# Altium PCB JTAG批量下载板-V1.6-ASCII.PcbDoc (part 5 of 14)
Units mil, origin at the board's own origin, x right, y up, seen from the top; angles counter-clockwise.
Board outline 7947.6 x 7007.76 mil, 2 copper layers (Top Layer, Bottom Layer); 207 components, 340 nets, 1329 pads, 792 vias.
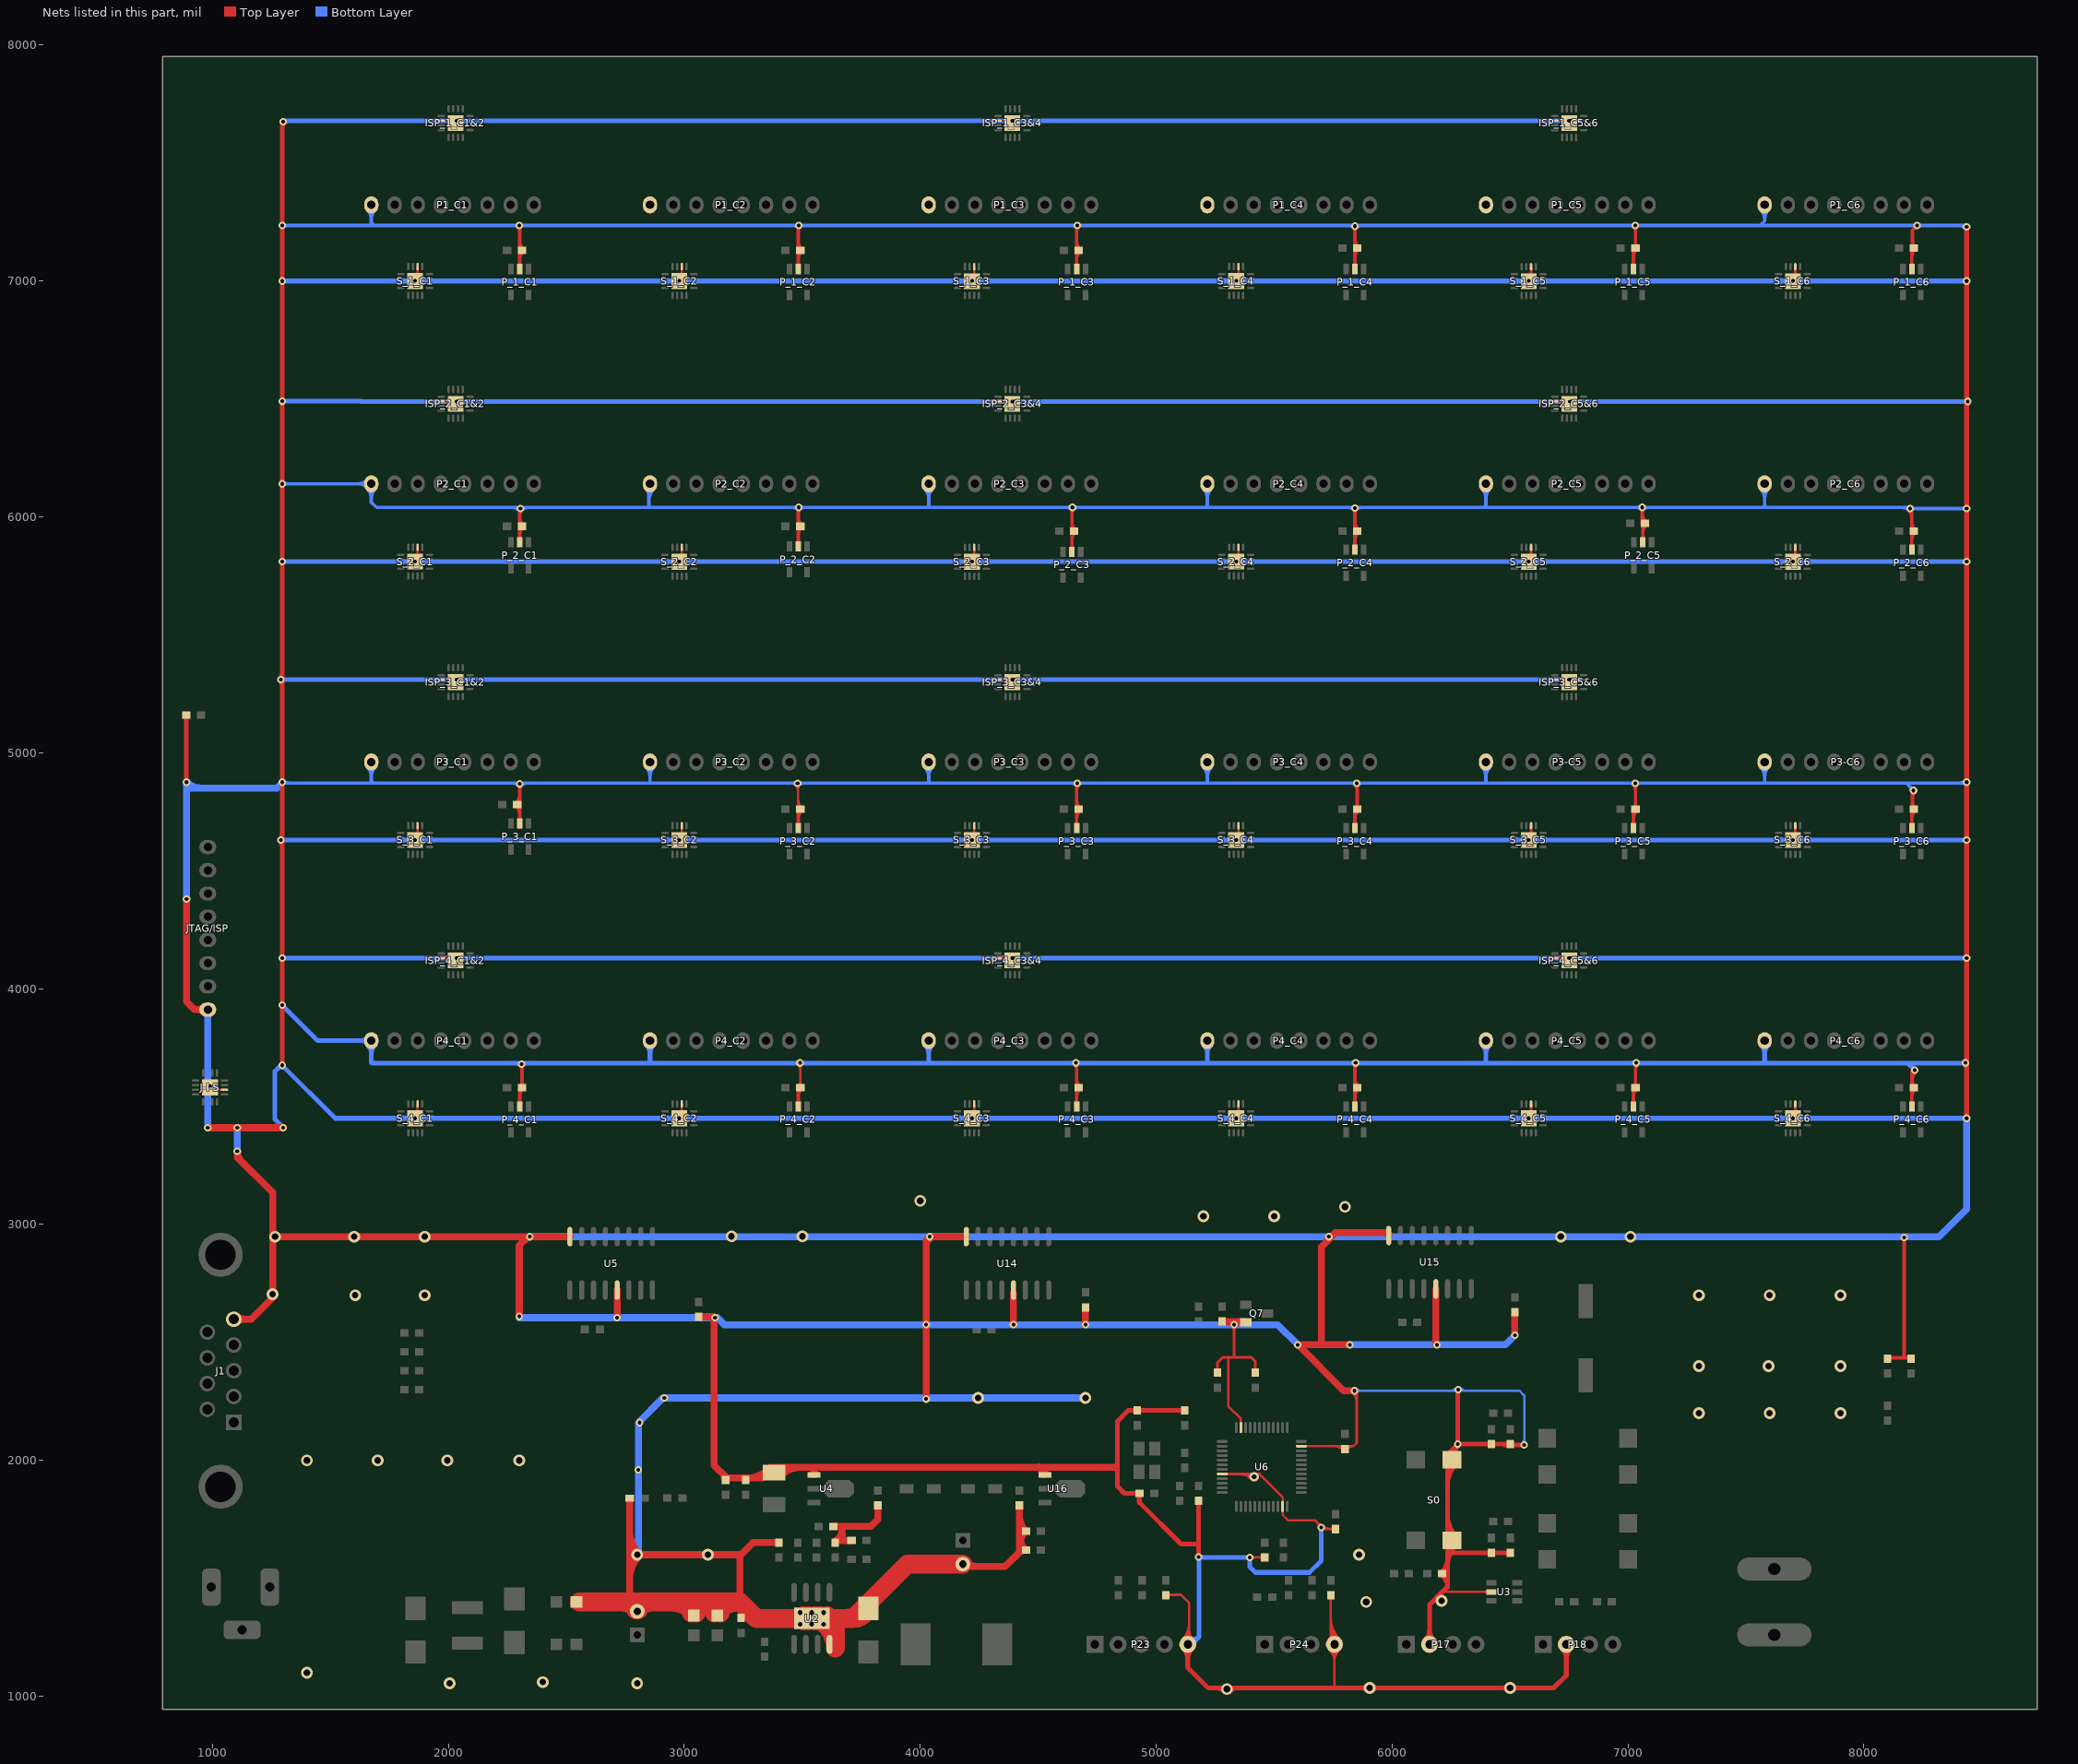
[diagram p5: the nets of this part, all layers, seen from the top]

## Via types
v1: diameter 32, hole 16, Top Layer to Bottom Layer, 721 vias
v2: diameter 50, hole 28, Top Layer to Bottom Layer, 45 vias
v3: diameter 40, hole 20, Top Layer to Bottom Layer, 26 vias

## Nets (pads, with @x,y where several pads share a name; then routed paths per layer and width w, separated by ;. In a path a pad name is that pad's centre, name@x,y a point inside that pad or via, vN(x,y) a via of type N, cw(c..) or ccw(c..) an arc to the next point about the centre after c; other vN are vias at no path point) (continued)
GND: C2.2 C3.2 C4.2 C5.2 C6.2 C7.2 C8.2 C9.2 C10.2 C15.2 C16.2 C21.2 C22.2 C23.1 C24.2 C25.2 C26.2 C27.2 C30.2 C38.1 C39.1 C41.2 C42.2 C43.2 C48.2 C50.2 C52.2 C53.2 C60.2 D8.1 ISP_1_C1&2.6 ISP_1_C1&2.17 ISP_1_C3&4.6 ISP_1_C3&4.17 ISP_1_C5&6.6 ISP_1_C5&6.17 ISP_2_C1&2.6 ISP_2_C1&2.17 ISP_2_C3&4.6 ISP_2_C3&4.17 ISP_2_C5&6.6 ISP_2_C5&6.17 ISP_3_C1&2.6 ISP_3_C1&2.17 ISP_3_C3&4.6 ISP_3_C3&4.17 ISP_3_C5&6.6 ISP_3_C5&6.17 ISP_4_C1&2.6 ISP_4_C1&2.17 ISP_4_C3&4.6 ISP_4_C3&4.17 ISP_4_C5&6.6 ISP_4_C5&6.17 J1.5 J-I-S.6 J-I-S.17 JTAG/ISP.8 L2.1 LD0.2 P1_C1.8 P1_C2.8 P1_C3.8 P1_C4.8 P1_C5.8 P1_C6.8 P2_C1.8 P2_C2.8 P2_C3.8 P2_C4.8 P2_C5.8 P2_C6.8 P3-C5.8 P3-C6.8 P3_C1.8 P3_C2.8 P3_C3.8 P3_C4.8 P4_C1.8 P4_C2.8 P4_C3.8 P4_C4.8 P4_C5.8 P4_C6.8 P17.2 P18.2 P23.5 P24.4 P_1_C1.2 P_1_C2.2 P_1_C3.2 P_1_C4.2 P_1_C5.2 P_1_C6.2 P_2_C1.2 P_2_C2.2 P_2_C3.2 P_2_C4.2 P_2_C5.2 P_2_C6.2 P_3_C1.2 P_3_C2.2 P_3_C3.2 P_3_C4.2 P_3_C5.2 P_3_C6.2 P_4_C1.2 P_4_C2.2 P_4_C3.2 P_4_C4.2 P_4_C5.2 P_4_C6.2 Q7.2 R7.1 R10.1 R14.1 R17.1 R21.1 R29.2 R30.2 R31.2 R32.2 R33.2 R34.2 R40.2 R41.2 R45.1 R48.1 R52.2 R53.2 R54.2 R55.2 R56.2 R57.2 R60.2 R61.2 R62.2 R63.2 R64.2 R65.2 R66.2 R71.2 R72.2 R73.2 R74.2 R75.2 R76.2 S0.3 S0.4 S_1_C1.6 S_1_C1.17 S_1_C2.6 S_1_C2.17 S_1_C3.6 S_1_C3.17 S_1_C4.6 S_1_C4.17 S_1_C5.6 S_1_C5.17 S_1_C6.6 S_1_C6.17 S_2_C1.6 S_2_C1.17 S_2_C2.6 S_2_C2.17 S_2_C3.6 S_2_C3.17 S_2_C4.6 S_2_C4.17 S_2_C5.6 S_2_C5.17 S_2_C6.6 S_2_C6.17 S_3_C1.6 S_3_C1.17 S_3_C2.6 S_3_C2.17 S_3_C3.6 S_3_C3.17 S_3_C4.6 S_3_C4.17 S_3_C5.6 S_3_C5.17 S_3_C6.6 S_3_C6.17 S_4_C1.6 S_4_C1.17 S_4_C2.6 S_4_C2.17 S_4_C3.6 S_4_C3.17 S_4_C4.6 S_4_C4.17 S_4_C5.6 S_4_C5.17 S_4_C6.6 S_4_C6.17 U2.4 U2.9 U3.2 U4.1 U5.8 U5.13 U6.8 U6.23 U6.35 U6.47 U14.8 U14.13 U15.8 U15.13 U16.1 | length 179279.5
  Top Layer w10: J-I-S.17@986.18,3571.18 J-I-S.6@1050.55,3571.18 ; S_4_C1.17@1868.82,3449.37 S_4_C1.6@1868.82,3511.05 ; S_3_C1.17@1868.82,4629.37 S_3_C1.6@1868.82,4691.05 ; S_2_C1.17@1868.82,5809.37 S_2_C1.6@1868.82,5871.05 ; S_1_C1.17@1868.82,6999.37 S_1_C1.6@1868.82,7061.1 ; ISP_4_C1&2.6@1969.45,4129.37 v1(2033.82,4129.37) ; ISP_3_C1&2.6@1969.45,5309.37 v1(2033.82,5309.37) ; ISP_2_C1&2.6@1969.45,6489.37 v1(2033.82,6489.37) ; ISP_1_C1&2.6@1969.45,7679.37 v1(2033.82,7679.37) ; S_4_C2.17@2988.82,3456.18 S_4_C2.6@2988.82,3511.05 ; S_3_C2.17@2988.82,4636.18 S_3_C2.6@2988.82,4691.05 ; S_2_C2.17@2988.82,5816.18 S_2_C2.6@2988.82,5871.1 ; S_1_C2.17@2988.82,7006.18 S_1_C2.6@2988.82,7061.1 ; R72.2@3482.6,3571.65 3491.5,3580.55 v1@3491.5,3683.5 ; R62.2@3482.6,4751.65 v1@3482.6,4867.4 ; R30.2@3482.6,7121.65 R30.2@3491.5,7130.55 ; S_4_C3.17@4228.82,3449.37 S_4_C3.6@4228.82,3511.05 ; S_3_C3.17@4228.82,4629.37 S_3_C3.6@4228.82,4691.05 ; S_2_C3.17@4228.82,5809.37 S_2_C3.6@4228.82,5871.1 ; S_1_C3.17@4228.82,6999.37 S_1_C3.6@4228.82,7061.1 ; ISP_4_C3&4.6@4329.45,4129.37 v1(4393.82,4129.37) ; ISP_3_C3&4.6@4329.45,5309.37 v1(4393.82,5309.37) ; ISP_2_C3&4.6@4329.45,6489.37 v1(4393.82,6489.37) ; ISP_1_C3&4.6@4329.45,7679.37 v1(4393.82,7679.37) ; R45.1@5050,1430 5105,1430 5140,1395 P23.5@5140,1215 ; U6.8@5280,1942.2 5437.8,1942.2 5535.91,1844.09 5535.91,1769.09 5560,1745 5675,1745 5711.5,1708.5 C16.2@5760,1708.5 ; 5305,2436.5 5305,2230 5358.74,2176.26 U6.47@5358.74,2139.06 ; S_4_C4.17@5348.82,3456.18 S_4_C4.6@5348.82,3511.05 ; S_3_C4.17@5348.82,4636.18 S_3_C4.6@5348.82,4691.05 ; S_2_C4.17@5348.82,5816.18 S_2_C4.6@5348.82,5871.05 ; S_1_C4.17@5348.82,7006.18 S_1_C4.6@5348.82,7061.05 ; 5349.32,1942.2 cw(c5349.32,1864.32) v3@5404.39,1919.39 ; 5373.46,1942.2 cw(c5373.46,1888.46) v3@5411.46,1926.46 ; v1(5396.5,1588.5) R17.1@5460,1588.5 ; 5397.61,1942.2 cw(c5397.61,1912.61) v3@5418.54,1933.54 ; U6.35@5614.65,2060.32 5835.31,2060.32 ; R48.1@5740,1428.5 5740,1235.28 P24.4@5755.28,1220 5755.28,1035.28 ; 5750.29,2060.32 cw(c5750.29,2000.76) C10.2@5792.4,2042.87 ; 5774.43,2060.32 cw(c5774.43,2024.9) C10.2@5799.47,2049.94 ; v1@5850,2305 5850,2075 5835.31,2060.32 ; 6209.97,1439.97 6212.6,1442.6 U3.2@6420,1442.6 ; S_4_C5.17@6588.82,3449.37 S_4_C5.6@6588.82,3511.05 ; S_3_C5.17@6588.82,4629.37 S_3_C5.6@6588.82,4691.05 ; S_2_C5.17@6588.82,5809.37 S_2_C5.6@6588.82,5871.1 ; S_1_C5.17@6588.82,6999.37 S_1_C5.6@6588.82,7061.1 ; ISP_4_C5&6.6@6689.45,4129.37 v1(6753.82,4129.37) ; ISP_3_C5&6.6@6689.45,5309.37 v1(6753.82,5309.37) ; ISP_2_C5&6.6@6689.45,6489.37 v1(6753.82,6489.37) ; ISP_1_C5&6.6@6689.45,7679.37 v1(6753.82,7679.37) ; S_4_C6.17@7708.82,3456.18 S_4_C6.6@7708.82,3511.05 ; S_3_C6.17@7708.82,4636.18 S_3_C6.6@7708.82,4691.05 ; S_2_C6.17@7708.82,5816.18 S_2_C6.6@7708.82,5871.1 ; S_1_C6.17@7708.82,7006.18 S_1_C6.6@7708.82,7061.1 ; ISP_4_C1&2.17@2007.26,4129.37 cw(c2007.26,4102.81) 2026.04,4121.59 ccw(c2007.26,4102.81) ISP_4_C1&2.17@2007.26,4129.37 ; ISP_4_C1&2.17@2007.26,4129.37 ccw(c2007.26,4155.93) 2026.04,4137.15 cw(c2007.26,4155.93) ISP_4_C1&2.17@2007.26,4129.37 ; ISP_3_C1&2.17@2007.26,5309.37 cw(c2007.26,5282.81) 2026.04,5301.59 ccw(c2007.26,5282.81) ISP_3_C1&2.17@2007.26,5309.37 ; ISP_3_C1&2.17@2007.26,5309.37 ccw(c2007.26,5335.93) 2026.04,5317.15 cw(c2007.26,5335.93) ISP_3_C1&2.17@2007.26,5309.37 ; ISP_2_C1&2.17@2007.26,6489.37 cw(c2007.26,6462.81) 2026.04,6481.59 ccw(c2007.26,6462.81) ISP_2_C1&2.17@2007.26,6489.37 ; ISP_2_C1&2.17@2007.26,6489.37 ccw(c2007.26,6515.93) 2026.04,6497.15 cw(c2007.26,6515.93) ISP_2_C1&2.17@2007.26,6489.37 ; ISP_1_C1&2.17@2007.26,7679.37 cw(c2007.26,7652.81) 2026.04,7671.59 ccw(c2007.26,7652.81) ISP_1_C1&2.17@2007.26,7679.37 ; ISP_1_C1&2.17@2007.26,7679.37 ccw(c2007.26,7705.93) 2026.04,7687.15 cw(c2007.26,7705.93) ISP_1_C1&2.17@2007.26,7679.37 ; 3491.5,3605.95 cw(c3465.55,3605.95) 3483.9,3587.6 ccw(c3465.55,3605.95) 3491.5,3605.95 ; 3491.5,3605.95 ccw(c3517.44,3605.95) 3499.1,3587.6 cw(c3517.44,3605.95) 3491.5,3605.95 ; ISP_4_C3&4.17@4363.44,4129.37 cw(c4363.44,4102.81) 4382.22,4121.59 ccw(c4363.44,4102.81) ISP_4_C3&4.17@4363.44,4129.37 ; ISP_4_C3&4.17@4363.44,4129.37 ccw(c4363.44,4155.93) 4382.22,4137.15 cw(c4363.44,4155.93) ISP_4_C3&4.17@4363.44,4129.37 ; ISP_3_C3&4.17@4363.44,5309.37 cw(c4363.44,5282.81) 4382.22,5301.59 ccw(c4363.44,5282.81) ISP_3_C3&4.17@4363.44,5309.37 ; ISP_3_C3&4.17@4363.44,5309.37 ccw(c4363.44,5335.93) 4382.22,5317.15 cw(c4363.44,5335.93) ISP_3_C3&4.17@4363.44,5309.37 ; ISP_2_C3&4.17@4363.44,6489.37 cw(c4363.44,6462.81) 4382.22,6481.59 ccw(c4363.44,6462.81) ISP_2_C3&4.17@4363.44,6489.37 ; ISP_2_C3&4.17@4363.44,6489.37 ccw(c4363.44,6515.93) 4382.22,6497.15 cw(c4363.44,6515.93) ISP_2_C3&4.17@4363.44,6489.37 ; ISP_1_C3&4.17@4363.44,7679.37 cw(c4363.44,7652.81) 4382.22,7671.59 ccw(c4363.44,7652.81) ISP_1_C3&4.17@4363.44,7679.37 ; ISP_1_C3&4.17@4363.44,7679.37 ccw(c4363.44,7705.93) 4382.22,7687.15 cw(c4363.44,7705.93) ISP_1_C3&4.17@4363.44,7679.37 ; ISP_4_C3&4.17@4367.26,4129.37 cw(c4367.26,4102.81) 4386.04,4121.59 ccw(c4367.26,4102.81) ISP_4_C3&4.17@4367.26,4129.37 ; ISP_4_C3&4.17@4367.26,4129.37 ccw(c4367.26,4155.93) 4386.04,4137.15 cw(c4367.26,4155.93) ISP_4_C3&4.17@4367.26,4129.37 ; ISP_3_C3&4.17@4367.26,5309.37 cw(c4367.26,5282.81) 4386.04,5301.59 ccw(c4367.26,5282.81) ISP_3_C3&4.17@4367.26,5309.37 ; ISP_3_C3&4.17@4367.26,5309.37 ccw(c4367.26,5335.93) 4386.04,5317.15 cw(c4367.26,5335.93) ISP_3_C3&4.17@4367.26,5309.37 ; ISP_2_C3&4.17@4367.26,6489.37 cw(c4367.26,6462.81) 4386.04,6481.59 ccw(c4367.26,6462.81) ISP_2_C3&4.17@4367.26,6489.37 ; ISP_2_C3&4.17@4367.26,6489.37 ccw(c4367.26,6515.93) 4386.04,6497.15 cw(c4367.26,6515.93) ISP_2_C3&4.17@4367.26,6489.37 ; ISP_1_C3&4.17@4367.26,7679.37 cw(c4367.26,7652.81) 4386.04,7671.59 ccw(c4367.26,7652.81) ISP_1_C3&4.17@4367.26,7679.37 ; ISP_1_C3&4.17@4367.26,7679.37 ccw(c4367.26,7705.93) 4386.04,7687.15 cw(c4367.26,7705.93) ISP_1_C3&4.17@4367.26,7679.37 ; R45.1@5047.6,1422.87 cw(c5064.81,1405.67) 5064.81,1430 ; R45.1@5047.6,1422.87 cw(c5064.81,1405.67) 5064.81,1430 ; R45.1@5047.6,1422.87 cw(c5064.81,1405.67) 5064.81,1430 ; R45.1@5047.6,1422.87 cw(c5064.81,1405.67) 5064.81,1430 ; R45.1@5047.6,1422.87 cw(c5064.81,1405.67) 5064.81,1430 ; R45.1@5047.6,1438.07 ccw(c5067.09,1457.56) 5067.09,1430 ; R45.1@5047.6,1438.07 ccw(c5067.09,1457.56) 5067.09,1430 ; R45.1@5047.6,1438.07 ccw(c5067.09,1457.56) 5067.09,1430 ; R45.1@5047.6,1438.07 ccw(c5067.09,1457.56) 5067.09,1430 ; R45.1@5047.6,1438.07 ccw(c5067.09,1457.56) 5067.09,1430 ; P23.5@5111.78,1241.92 ccw(c5043.65,1310.05) 5140,1310.05 ; P23.5@5111.78,1241.92 ccw(c5043.65,1310.05) 5140,1310.05 ; P23.5@5111.78,1241.92 ccw(c5043.65,1310.05) 5140,1310.05 ; P23.5@5111.78,1241.92 ccw(c5043.65,1310.05) 5140,1310.05 ; P23.5@5111.78,1241.92 ccw(c5043.65,1310.05) 5140,1310.05 ; P23.5@5118.85,1234.85 ccw(c5067.79,1285.91) 5140,1285.91 ; P23.5@5118.85,1234.85 ccw(c5067.79,1285.91) 5140,1285.91 ; P23.5@5118.85,1234.85 ccw(c5067.79,1285.91) 5140,1285.91 ; P23.5@5118.85,1234.85 ccw(c5067.79,1285.91) 5140,1285.91 ; P23.5@5118.85,1234.85 ccw(c5067.79,1285.91) 5140,1285.91 ; P23.5@5125.92,1227.78 ccw(c5091.93,1261.77) 5140,1261.77 ; P23.5@5125.92,1227.78 ccw(c5091.93,1261.77) 5140,1261.77 ; P23.5@5125.92,1227.78 ccw(c5091.93,1261.77) 5140,1261.77 ; P23.5@5125.92,1227.78 ccw(c5091.93,1261.77) 5140,1261.77 ; P23.5@5125.92,1227.78 ccw(c5091.93,1261.77) 5140,1261.77 ; 5140,1255.49 ccw(c5169.19,1255.49) P23.5@5148.55,1234.85 ; 5140,1255.49 ccw(c5169.19,1255.49) P23.5@5148.55,1234.85 ; 5140,1255.49 ccw(c5169.19,1255.49) P23.5@5148.55,1234.85 ; 5140,1255.49 ccw(c5169.19,1255.49) P23.5@5148.55,1234.85 ; 5140,1255.49 ccw(c5169.19,1255.49) P23.5@5148.55,1234.85 ; 5140,1279.63 ccw(c5193.33,1279.63) P23.5@5155.62,1241.92 ; 5140,1279.63 ccw(c5193.33,1279.63) P23.5@5155.62,1241.92 ; 5140,1279.63 ccw(c5193.33,1279.63) P23.5@5155.62,1241.92 ; 5140,1279.63 ccw(c5193.33,1279.63) P23.5@5155.62,1241.92 ; 5140,1279.63 ccw(c5193.33,1279.63) P23.5@5155.62,1241.92 ; v1@5404.27,1580.73 cw(c5423.05,1561.95) 5423.05,1588.5 ; v1@5404.27,1580.73 cw(c5423.05,1561.95) 5423.05,1588.5 ; v1@5404.27,1580.73 cw(c5423.05,1561.95) 5423.05,1588.5 ; v1@5404.27,1580.73 cw(c5423.05,1561.95) 5423.05,1588.5 ; v1@5404.27,1580.73 cw(c5423.05,1561.95) 5423.05,1588.5 ; v1@5404.27,1596.28 ccw(c5423.05,1615.06) 5423.05,1588.5 ; v1@5404.27,1596.28 ccw(c5423.05,1615.06) 5423.05,1588.5 ; v1@5404.27,1596.28 ccw(c5423.05,1615.06) 5423.05,1588.5 ; v1@5404.27,1596.28 ccw(c5423.05,1615.06) 5423.05,1588.5 ; v1@5404.27,1596.28 ccw(c5423.05,1615.06) 5423.05,1588.5 ; 5434.05,1588.5 cw(c5434.05,1562.56) R17.1@5452.4,1580.9 ; 5434.05,1588.5 ccw(c5434.05,1614.45) R17.1@5452.4,1596.1 ; 5434.05,1588.5 cw(c5434.05,1562.56) R17.1@5452.4,1580.9 ; 5434.05,1588.5 ccw(c5434.05,1614.45) R17.1@5452.4,1596.1 ; 5434.05,1588.5 cw(c5434.05,1562.56) R17.1@5452.4,1580.9 ; 5434.05,1588.5 ccw(c5434.05,1614.45) R17.1@5452.4,1596.1 ; 5434.05,1588.5 cw(c5434.05,1562.56) R17.1@5452.4,1580.9 ; 5434.05,1588.5 ccw(c5434.05,1614.45) R17.1@5452.4,1596.1 ; 5434.05,1588.5 cw(c5434.05,1562.56) R17.1@5452.4,1580.9 ; 5434.05,1588.5 ccw(c5434.05,1614.45) R17.1@5452.4,1596.1 ; 5677.69,1742.31 cw(c5650.37,1715) v1@5689,1715 ; 5677.69,1742.31 cw(c5650.37,1715) v1@5689,1715 ; 5677.69,1742.31 cw(c5650.37,1715) v1@5689,1715 ; 5677.69,1742.31 cw(c5650.37,1715) v1@5689,1715 ; 5677.69,1742.31 cw(c5650.37,1715) v1@5689,1715 ; 5689.76,1730.24 ccw(c5700,1740.49) v1@5700,1726 ; 5689.76,1730.24 ccw(c5700,1740.49) v1@5700,1726 ; 5689.76,1730.24 ccw(c5700,1740.49) v1@5700,1726 ; 5689.76,1730.24 ccw(c5700,1740.49) v1@5700,1726 ; 5689.76,1730.24 ccw(c5700,1740.49) v1@5700,1726 ; v1@5700.71,1715.71 ccw(c5718.1,1733.1) 5718.1,1708.5 ; v1@5700.71,1715.71 ccw(c5718.1,1733.1) 5718.1,1708.5 ; v1@5700.71,1715.71 ccw(c5718.1,1733.1) 5718.1,1708.5 ; v1@5700.71,1715.71 ccw(c5718.1,1733.1) 5718.1,1708.5 ; v1@5700.71,1715.71 ccw(c5718.1,1733.1) 5718.1,1708.5 ; v1@5707.78,1722.78 ccw(c5742.24,1757.24) 5742.24,1708.5 ; v1@5707.78,1722.78 ccw(c5742.24,1757.24) 5742.24,1708.5 ; v1@5707.78,1722.78 ccw(c5742.24,1757.24) 5742.24,1708.5 ; v1@5707.78,1722.78 ccw(c5742.24,1757.24) 5742.24,1708.5 ; v1@5707.78,1722.78 ccw(c5742.24,1757.24) 5742.24,1708.5 ; R48.1@5732.4,1418.94 cw(c5714.05,1400.59) 5740,1400.59 ; R48.1@5732.4,1418.94 cw(c5714.05,1400.59) 5740,1400.59 ; R48.1@5732.4,1418.94 cw(c5714.05,1400.59) 5740,1400.59 ; R48.1@5732.4,1418.94 cw(c5714.05,1400.59) 5740,1400.59 ; R48.1@5732.4,1418.94 cw(c5714.05,1400.59) 5740,1400.59 ; P24.4@5733.36,1198.08 cw(c5680.44,1145.16) 5755.28,1145.16 ; P24.4@5733.36,1198.08 cw(c5680.44,1145.16) 5755.28,1145.16 ; P24.4@5733.36,1198.08 cw(c5680.44,1145.16) 5755.28,1145.16 ; P24.4@5733.36,1198.08 cw(c5680.44,1145.16) 5755.28,1145.16 ; P24.4@5733.36,1198.08 cw(c5680.44,1145.16) 5755.28,1145.16 ; P24.4@5733.36,1241.92 ccw(c5717.31,1257.96) 5740,1257.96 ; P24.4@5733.36,1241.92 ccw(c5717.31,1257.96) 5740,1257.96 ; P24.4@5733.36,1241.92 ccw(c5717.31,1257.96) 5740,1257.96 ; P24.4@5733.36,1241.92 ccw(c5717.31,1257.96) 5740,1257.96 ; P24.4@5733.36,1241.92 ccw(c5717.31,1257.96) 5740,1257.96 ; 5734.05,1708.5 cw(c5734.05,1682.56) C16.2@5752.4,1700.9 ; 5734.05,1708.5 ccw(c5734.05,1734.45) C16.2@5752.4,1716.1 ; 5734.05,1708.5 cw(c5734.05,1682.56) C16.2@5752.4,1700.9 ; 5734.05,1708.5 ccw(c5734.05,1734.45) C16.2@5752.4,1716.1 ; 5734.05,1708.5 cw(c5734.05,1682.56) C16.2@5752.4,1700.9 ; 5734.05,1708.5 ccw(c5734.05,1734.45) C16.2@5752.4,1716.1 ; 5734.05,1708.5 cw(c5734.05,1682.56) C16.2@5752.4,1700.9 ; 5734.05,1708.5 ccw(c5734.05,1734.45) C16.2@5752.4,1716.1 ; 5734.05,1708.5 cw(c5734.05,1682.56) C16.2@5752.4,1700.9 ; 5734.05,1708.5 ccw(c5734.05,1734.45) C16.2@5752.4,1716.1 ; 5740,1259.29 ccw(c5794.57,1259.29) P24.4@5755.98,1220.71 ; 5740,1259.29 ccw(c5794.57,1259.29) P24.4@5755.98,1220.71 ; 5740,1259.29 ccw(c5794.57,1259.29) P24.4@5755.98,1220.71 ; 5740,1259.29 ccw(c5794.57,1259.29) P24.4@5755.98,1220.71 ; 5740,1259.29 ccw(c5794.57,1259.29) P24.4@5755.98,1220.71 ; 5740,1283.43 ccw(c5818.71,1283.43) P24.4@5763.05,1227.78 ; 5740,1283.43 ccw(c5818.71,1283.43) P24.4@5763.05,1227.78 ; 5740,1283.43 ccw(c5818.71,1283.43) P24.4@5763.05,1227.78 ; 5740,1283.43 ccw(c5818.71,1283.43) P24.4@5763.05,1227.78 ; 5740,1283.43 ccw(c5818.71,1283.43) P24.4@5763.05,1227.78 ; 5740,1307.58 ccw(c5842.85,1307.58) P24.4@5770.12,1234.85 ; 5740,1307.58 ccw(c5842.85,1307.58) P24.4@5770.12,1234.85 ; 5740,1307.58 ccw(c5842.85,1307.58) P24.4@5770.12,1234.85 ; 5740,1307.58 ccw(c5842.85,1307.58) P24.4@5770.12,1234.85 ; 5740,1307.58 ccw(c5842.85,1307.58) P24.4@5770.12,1234.85 ; 5740,1331.72 ccw(c5866.99,1331.72) P24.4@5777.2,1241.92 ; 5740,1331.72 ccw(c5866.99,1331.72) P24.4@5777.2,1241.92 ; 5740,1331.72 ccw(c5866.99,1331.72) P24.4@5777.2,1241.92 ; 5740,1331.72 ccw(c5866.99,1331.72) P24.4@5777.2,1241.92 ; 5740,1331.72 ccw(c5866.99,1331.72) P24.4@5777.2,1241.92 ; 5740,1400.59 cw(c5765.95,1400.59) R48.1@5747.6,1418.94 ; 5740,1400.59 cw(c5765.95,1400.59) R48.1@5747.6,1418.94 ; 5740,1400.59 cw(c5765.95,1400.59) R48.1@5747.6,1418.94 ; 5740,1400.59 cw(c5765.95,1400.59) R48.1@5747.6,1418.94 ; 5740,1400.59 cw(c5765.95,1400.59) R48.1@5747.6,1418.94 ; P24.4@5740.43,1205.15 cw(c5704.58,1169.3) 5755.28,1169.3 ; P24.4@5740.43,1205.15 cw(c5704.58,1169.3) 5755.28,1169.3 ; P24.4@5740.43,1205.15 cw(c5704.58,1169.3) 5755.28,1169.3 ; P24.4@5740.43,1205.15 cw(c5704.58,1169.3) 5755.28,1169.3 ; P24.4@5740.43,1205.15 cw(c5704.58,1169.3) 5755.28,1169.3 ; 5755.28,1145.16 cw(c5830.12,1145.16) P24.4@5777.2,1198.08 ; 5755.28,1145.16 cw(c5830.12,1145.16) P24.4@5777.2,1198.08 ; 5755.28,1145.16 cw(c5830.12,1145.16) P24.4@5777.2,1198.08 ; 5755.28,1145.16 cw(c5830.12,1145.16) P24.4@5777.2,1198.08 ; 5755.28,1145.16 cw(c5830.12,1145.16) P24.4@5777.2,1198.08 ; 5755.28,1169.3 cw(c5805.97,1169.3) P24.4@5770.12,1205.15 ; 5755.28,1169.3 cw(c5805.97,1169.3) P24.4@5770.12,1205.15 ; 5755.28,1169.3 cw(c5805.97,1169.3) P24.4@5770.12,1205.15 ; 5755.28,1169.3 cw(c5805.97,1169.3) P24.4@5770.12,1205.15 ; 5755.28,1169.3 cw(c5805.97,1169.3) P24.4@5770.12,1205.15 ; C10.2@5800.65,2050.1 cw(c5818.16,2040.19) 5818.16,2060.32 ; C10.2@5800.65,2050.1 cw(c5818.16,2040.19) 5818.16,2060.32 ; C10.2@5800.65,2050.1 cw(c5818.16,2040.19) 5818.16,2060.32 ; C10.2@5800.65,2050.1 cw(c5818.16,2040.19) 5818.16,2060.32 ; C10.2@5800.65,2050.1 cw(c5818.16,2040.19) 5818.16,2060.32 ; C10.2@5809.35,2045.18 cw(c5835.31,2030.49) 5835.31,2060.32 ; C10.2@5809.35,2045.18 cw(c5835.31,2030.49) 5835.31,2060.32 ; C10.2@5809.35,2045.18 cw(c5835.31,2030.49) 5835.31,2060.32 ; C10.2@5809.35,2045.18 cw(c5835.31,2030.49) 5835.31,2060.32 ; C10.2@5809.35,2045.18 cw(c5835.31,2030.49) 5835.31,2060.32 ; v1@5832.22,2287.22 cw(c5789.3,2244.3) 5850,2244.3 ; v1@5832.22,2287.22 cw(c5789.3,2244.3) 5850,2244.3 ; v1@5832.22,2287.22 cw(c5789.3,2244.3) 5850,2244.3 ; v1@5832.22,2287.22 cw(c5789.3,2244.3) 5850,2244.3 ; v1@5832.22,2287.22 cw(c5789.3,2244.3) 5850,2244.3 ; v1@5839.29,2294.29 cw(c5813.44,2268.44) 5850,2268.44 ; v1@5839.29,2294.29 cw(c5813.44,2268.44) 5850,2268.44 ; v1@5839.29,2294.29 cw(c5813.44,2268.44) 5850,2268.44 ; v1@5839.29,2294.29 cw(c5813.44,2268.44) 5850,2268.44 ; v1@5839.29,2294.29 cw(c5813.44,2268.44) 5850,2268.44 ; 6393.71,1442.6 cw(c6393.71,1426.16) U3.2@6405.34,1437.78 ; 6393.71,1442.6 ccw(c6393.71,1459.04) U3.2@6405.34,1447.41 ; 6393.71,1442.6 cw(c6393.71,1426.16) U3.2@6405.34,1437.78 ; 6393.71,1442.6 ccw(c6393.71,1459.04) U3.2@6405.34,1447.41 ; 6393.71,1442.6 cw(c6393.71,1426.16) U3.2@6405.34,1437.78 ; 6393.71,1442.6 ccw(c6393.71,1459.04) U3.2@6405.34,1447.41 ; 6393.71,1442.6 cw(c6393.71,1426.16) U3.2@6405.34,1437.78 ; 6393.71,1442.6 ccw(c6393.71,1459.04) U3.2@6405.34,1447.41 ; 6393.71,1442.6 cw(c6393.71,1426.16) U3.2@6405.34,1437.78 ; 6393.71,1442.6 ccw(c6393.71,1459.04) U3.2@6405.34,1447.41 ; ISP_4_C5&6.17@6723.44,4129.37 cw(c6723.44,4102.81) 6742.22,4121.59 ccw(c6723.44,4102.81) ISP_4_C5&6.17@6723.44,4129.37 ; ISP_4_C5&6.17@6723.44,4129.37 ccw(c6723.44,4155.93) 6742.22,4137.15 cw(c6723.44,4155.93) ISP_4_C5&6.17@6723.44,4129.37 ; ISP_3_C5&6.17@6723.44,5309.37 cw(c6723.44,5282.81) 6742.22,5301.59 ccw(c6723.44,5282.81) ISP_3_C5&6.17@6723.44,5309.37 ; ISP_3_C5&6.17@6723.44,5309.37 ccw(c6723.44,5335.93) 6742.22,5317.15 cw(c6723.44,5335.93) ISP_3_C5&6.17@6723.44,5309.37 ; ISP_1_C5&6.17@6723.44,7679.37 cw(c6723.44,7652.81) 6742.22,7671.59 ccw(c6723.44,7652.81) ISP_1_C5&6.17@6723.44,7679.37 ; ISP_1_C5&6.17@6723.44,7679.37 ccw(c6723.44,7705.93) 6742.22,7687.15 cw(c6723.44,7705.93) ISP_1_C5&6.17@6723.44,7679.37 ; ISP_4_C5&6.17@6727.26,4129.37 cw(c6727.26,4102.81) 6746.04,4121.59 ccw(c6727.26,4102.81) ISP_4_C5&6.17@6727.26,4129.37 ; ISP_4_C5&6.17@6727.26,4129.37 ccw(c6727.26,4155.93) 6746.04,4137.15 cw(c6727.26,4155.93) ISP_4_C5&6.17@6727.26,4129.37 ; ISP_3_C5&6.17@6727.26,5309.37 cw(c6727.26,5282.81) 6746.04,5301.59 ccw(c6727.26,5282.81) ISP_3_C5&6.17@6727.26,5309.37 ; ISP_3_C5&6.17@6727.26,5309.37 ccw(c6727.26,5335.93) 6746.04,5317.15 cw(c6727.26,5335.93) ISP_3_C5&6.17@6727.26,5309.37 ; ISP_2_C5&6.17@6727.26,6489.37 cw(c6727.26,6462.81) 6746.04,6481.59 ccw(c6727.26,6462.81) ISP_2_C5&6.17@6727.26,6489.37 ; ISP_2_C5&6.17@6727.26,6489.37 ccw(c6727.26,6515.93) 6746.04,6497.15 cw(c6727.26,6515.93) ISP_2_C5&6.17@6727.26,6489.37 ; ISP_1_C5&6.17@6727.26,7679.37 cw(c6727.26,7652.81) 6746.04,7671.59 ccw(c6727.26,7652.81) ISP_1_C5&6.17@6727.26,7679.37 ; ISP_1_C5&6.17@6727.26,7679.37 ccw(c6727.26,7705.93) 6746.04,7687.15 cw(c6727.26,7705.93) ISP_1_C5&6.17@6727.26,7679.37 ; v1@3472.22,4862.22 cw(c3447.17,4837.17) 3482.6,4837.17 ccw(c3447.17,4837.17) v1@3472.22,4862.22 ; v1@3482.22,3677.22 cw(c3459.83,3654.83) 3491.5,3654.83 ccw(c3459.83,3654.83) v1@3482.22,3677.22 ; 3482.6,4778.53 ccw(c3508.06,4778.53) 3490.06,4760.53 cw(c3508.06,4778.53) 3482.6,4778.53 ; 3482.6,4802.68 ccw(c3532.2,4802.68) 3497.13,4767.6 cw(c3532.2,4802.68) 3482.6,4802.68 ; 3482.6,4849.72 cw(c3500.28,4849.72) 3487.78,4862.22 ccw(c3500.28,4849.72) 3482.6,4849.72 ; 3491.5,3662.06 cw(c3512.94,3662.06) 3497.78,3677.22 ccw(c3512.94,3662.06) 3491.5,3662.06